# Altium PCB Light_Board.PcbDoc (part 1 of 2) (continued)
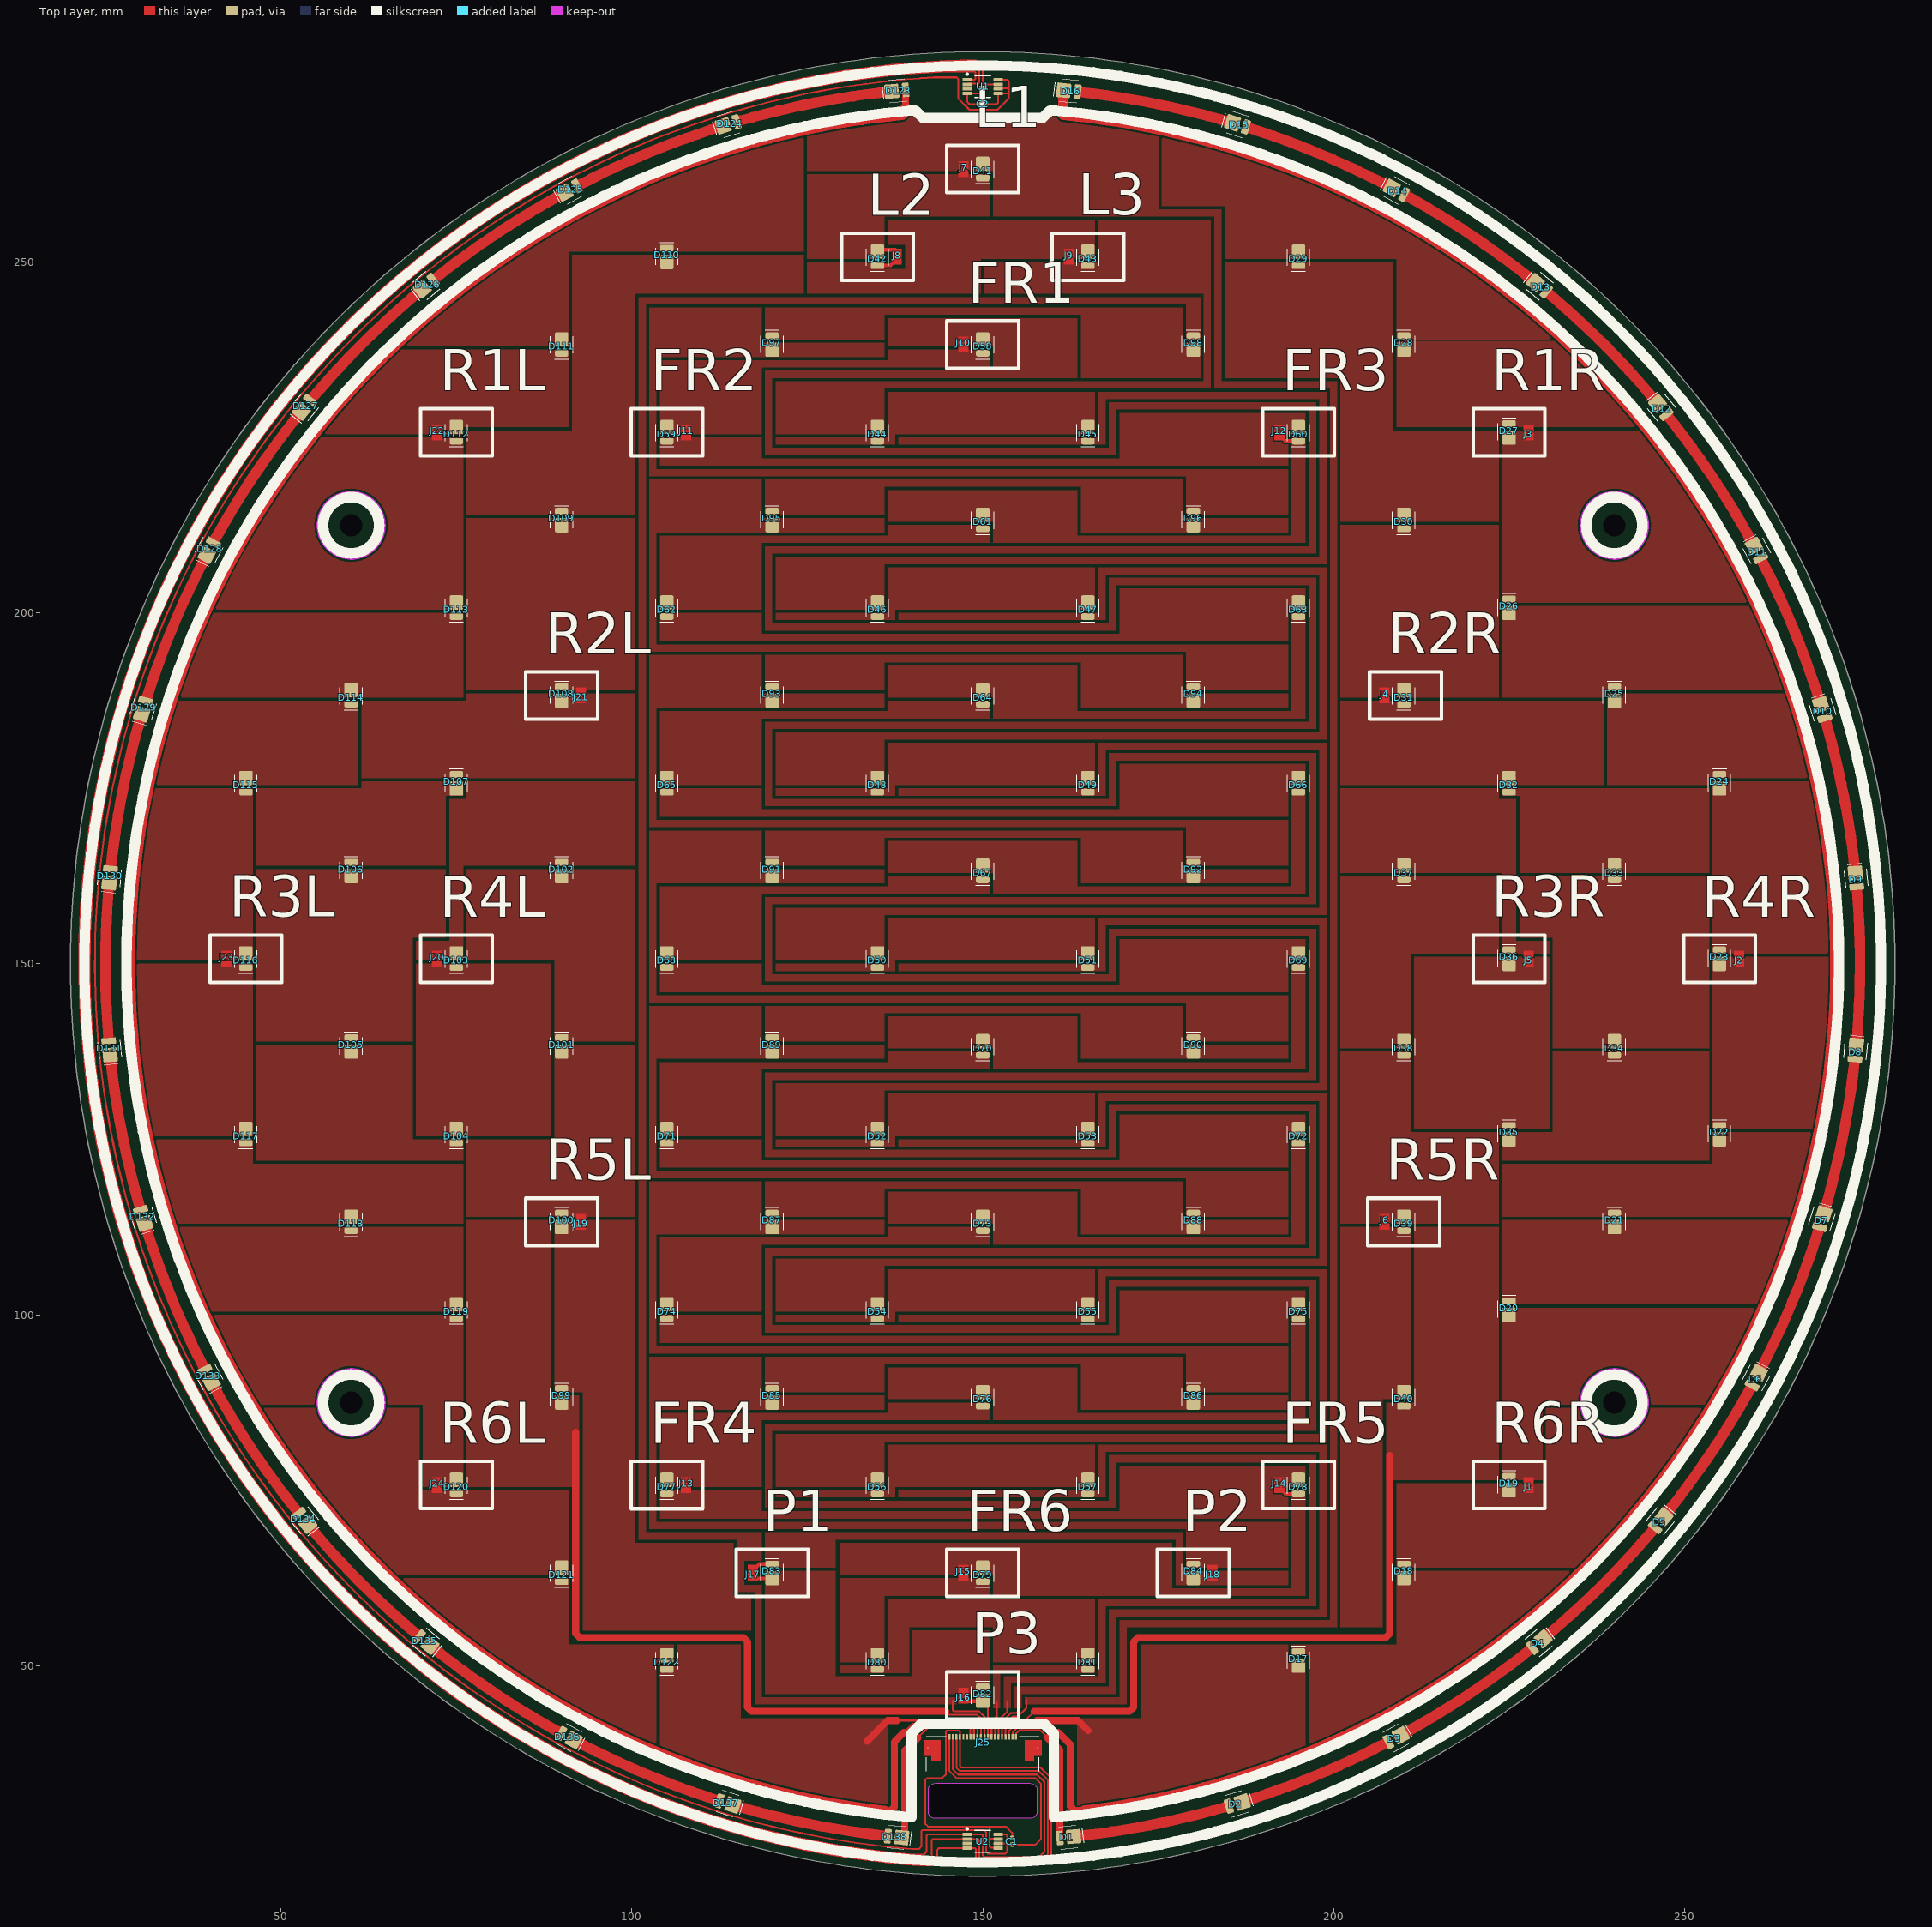
[diagram p0: Top Layer view]
## Components (designator, comment, footprint, x,y, rotation, side; value= is the part's Value field where it differs from the comment) (continued)
D44 "LUXEON SunPlus 2835 Lime" "LUXEON SunPlus 2835 - Lime" 135,226.5 r270 top
D45 "LUXEON SunPlus 2835 Lime" "LUXEON SunPlus 2835 - Lime" 165,226.5 r270 top
D46 "LUXEON SunPlus 2835 Lime" "LUXEON SunPlus 2835 - Lime" 135,201.5 r270 top
D47 "LUXEON SunPlus 2835 Lime" "LUXEON SunPlus 2835 - Lime" 165,201.5 r270 top
D48 "LUXEON SunPlus 2835 Lime" "LUXEON SunPlus 2835 - Lime" 135,176.5 r270 top
D49 "LUXEON SunPlus 2835 Lime" "LUXEON SunPlus 2835 - Lime" 165,176.5 r270 top
D50 "LUXEON SunPlus 2835 Lime" "LUXEON SunPlus 2835 - Lime" 135,151.5 r270 top
D51 "LUXEON SunPlus 2835 Lime" "LUXEON SunPlus 2835 - Lime" 165,151.5 r270 top
D52 "LUXEON SunPlus 2835 Lime" "LUXEON SunPlus 2835 - Lime" 135,126.5 r270 top
D53 "LUXEON SunPlus 2835 Lime" "LUXEON SunPlus 2835 - Lime" 165,126.5 r270 top
D54 "LUXEON SunPlus 2835 Lime" "LUXEON SunPlus 2835 - Lime" 135,101.5 r270 top
D55 "LUXEON SunPlus 2835 Lime" "LUXEON SunPlus 2835 - Lime" 165,101.5 r270 top
D56 "LUXEON SunPlus 2835 Lime" "LUXEON SunPlus 2835 - Lime" 135,76.5 r270 top
D57 "LUXEON SunPlus 2835 Lime" "LUXEON SunPlus 2835 - Lime" 165,76.5 r270 top
D58 "LUXEON SunPlus 2835 Far Red" "LUXEON SunPlus 2835 - Far Red" 150,239 r270 top
D59 "LUXEON SunPlus 2835 Far Red" "LUXEON SunPlus 2835 - Far Red" 105,226.5 r270 top
D60 "LUXEON SunPlus 2835 Far Red" "LUXEON SunPlus 2835 - Far Red" 195,226.5 r270 top
D61 "LUXEON SunPlus 2835 Far Red" "LUXEON SunPlus 2835 - Far Red" 150,214 r270 top
D62 "LUXEON SunPlus 2835 Far Red" "LUXEON SunPlus 2835 - Far Red" 105,201.5 r270 top
D63 "LUXEON SunPlus 2835 Far Red" "LUXEON SunPlus 2835 - Far Red" 195,201.5 r270 top
D64 "LUXEON SunPlus 2835 Far Red" "LUXEON SunPlus 2835 - Far Red" 150,189 r270 top
D65 "LUXEON SunPlus 2835 Far Red" "LUXEON SunPlus 2835 - Far Red" 105,176.5 r270 top
D66 "LUXEON SunPlus 2835 Far Red" "LUXEON SunPlus 2835 - Far Red" 195,176.5 r270 top
D67 "LUXEON SunPlus 2835 Far Red" "LUXEON SunPlus 2835 - Far Red" 150,164 r270 top
D68 "LUXEON SunPlus 2835 Far Red" "LUXEON SunPlus 2835 - Far Red" 105,151.5 r270 top
D69 "LUXEON SunPlus 2835 Far Red" "LUXEON SunPlus 2835 - Far Red" 195,151.5 r270 top
D70 "LUXEON SunPlus 2835 Far Red" "LUXEON SunPlus 2835 - Far Red" 150,139 r270 top
D71 "LUXEON SunPlus 2835 Far Red" "LUXEON SunPlus 2835 - Far Red" 105,126.5 r270 top
D72 "LUXEON SunPlus 2835 Far Red" "LUXEON SunPlus 2835 - Far Red" 195,126.5 r270 top
D73 "LUXEON SunPlus 2835 Far Red" "LUXEON SunPlus 2835 - Far Red" 150,114 r270 top
D74 "LUXEON SunPlus 2835 Far Red" "LUXEON SunPlus 2835 - Far Red" 105,101.5 r270 top
D75 "LUXEON SunPlus 2835 Far Red" "LUXEON SunPlus 2835 - Far Red" 195,101.5 r270 top
D76 "LUXEON SunPlus 2835 Far Red" "LUXEON SunPlus 2835 - Far Red" 150,89 r270 top
D77 "LUXEON SunPlus 2835 Far Red" "LUXEON SunPlus 2835 - Far Red" 105,76.5 r270 top
D78 "LUXEON SunPlus 2835 Far Red" "LUXEON SunPlus 2835 - Far Red" 195,76.5 r270 top
D79 "LUXEON SunPlus 2835 Far Red" "LUXEON SunPlus 2835 - Far Red" 150,64 r270 top
D80 "LUXEON SunPlus 2835 Far Red" "LUXEON SunPlus 2835 - Far Red" 135,51.5 r270 top
D81 "LUXEON SunPlus 2835 Far Red" "LUXEON SunPlus 2835 - Far Red" 165,51.5 r270 top
D82 "LUXEON SunPlus 2835 Purple" "LUXEON SunPlus 2835 - Purple" 150,45 r90 top
D83 "LUXEON SunPlus 2835 Purple" "LUXEON SunPlus 2835 - Purple" 120,62.5 r90 top
D84 "LUXEON SunPlus 2835 Purple" "LUXEON SunPlus 2835 - Purple" 180,62.5 r90 top
D85 "LUXEON SunPlus 2835 Purple" "LUXEON SunPlus 2835 - Purple" 120,87.5 r90 top
D86 "LUXEON SunPlus 2835 Purple" "LUXEON SunPlus 2835 - Purple" 180,87.5 r90 top
D87 "LUXEON SunPlus 2835 Purple" "LUXEON SunPlus 2835 - Purple" 120,112.5 r90 top
D88 "LUXEON SunPlus 2835 Purple" "LUXEON SunPlus 2835 - Purple" 180,112.5 r90 top
D89 "LUXEON SunPlus 2835 Purple" "LUXEON SunPlus 2835 - Purple" 120,137.5 r90 top
D90 "LUXEON SunPlus 2835 Purple" "LUXEON SunPlus 2835 - Purple" 180,137.5 r90 top
D91 "LUXEON SunPlus 2835 Purple" "LUXEON SunPlus 2835 - Purple" 120,162.5 r90 top
D92 "LUXEON SunPlus 2835 Purple" "LUXEON SunPlus 2835 - Purple" 180,162.5 r90 top
D93 "LUXEON SunPlus 2835 Purple" "LUXEON SunPlus 2835 - Purple" 120,187.5 r90 top
D94 "LUXEON SunPlus 2835 Purple" "LUXEON SunPlus 2835 - Purple" 180,187.5 r90 top
D95 "LUXEON SunPlus 2835 Purple" "LUXEON SunPlus 2835 - Purple" 120,212.5 r90 top
D96 "LUXEON SunPlus 2835 Purple" "LUXEON SunPlus 2835 - Purple" 180,212.5 r90 top
D97 "LUXEON SunPlus 2835 Purple" "LUXEON SunPlus 2835 - Purple" 120,237.5 r90 top
D98 "LUXEON SunPlus 2835 Purple" "LUXEON SunPlus 2835 - Purple" 180,237.5 r90 top
D99 "LUXEON SunPlus 2835 Red" "LUXEON SunPlus 2835 - Red" 90,87.5 r90 top
D100 "LUXEON SunPlus 2835 Red" "LUXEON SunPlus 2835 - Red" 90,112.5 r90 top
D101 "LUXEON SunPlus 2835 Red" "LUXEON SunPlus 2835 - Red" 90,137.5 r90 top
D102 "LUXEON SunPlus 2835 Red" "LUXEON SunPlus 2835 - Red" 90,162.5 r90 top
D103 "LUXEON SunPlus 2835 Red" "LUXEON SunPlus 2835 - Red" 75,151.5 r270 top
D104 "LUXEON SunPlus 2835 Red" "LUXEON SunPlus 2835 - Red" 75,126.5 r270 top
D105 "LUXEON SunPlus 2835 Red" "LUXEON SunPlus 2835 - Red" 60,137.5 r90 top
D106 "LUXEON SunPlus 2835 Red" "LUXEON SunPlus 2835 - Red" 60,162.5 r90 top
D107 "LUXEON SunPlus 2835 Red" "LUXEON SunPlus 2835 - Red" 75,175 r90 top
D108 "LUXEON SunPlus 2835 Red" "LUXEON SunPlus 2835 - Red" 90,187.5 r90 top
D109 "LUXEON SunPlus 2835 Red" "LUXEON SunPlus 2835 - Red" 90,212.5 r90 top
D110 "LUXEON SunPlus 2835 Red" "LUXEON SunPlus 2835 - Red" 105,250 r90 top
D111 "LUXEON SunPlus 2835 Red" "LUXEON SunPlus 2835 - Red" 90,239 r270 top
D112 "LUXEON SunPlus 2835 Red" "LUXEON SunPlus 2835 - Red" 75,226.5 r270 top
D113 "LUXEON SunPlus 2835 Red" "LUXEON SunPlus 2835 - Red" 75,201.5 r270 top
D114 "LUXEON SunPlus 2835 Red" "LUXEON SunPlus 2835 - Red" 60,189 r270 top
D115 "LUXEON SunPlus 2835 Red" "LUXEON SunPlus 2835 - Red" 45,176.5 r270 top
D116 "LUXEON SunPlus 2835 Red" "LUXEON SunPlus 2835 - Red" 45,151.5 r270 top
D117 "LUXEON SunPlus 2835 Red" "LUXEON SunPlus 2835 - Red" 45,126.5 r270 top
D118 "LUXEON SunPlus 2835 Red" "LUXEON SunPlus 2835 - Red" 60,114 r270 top
D119 "LUXEON SunPlus 2835 Red" "LUXEON SunPlus 2835 - Red" 75,101.5 r270 top
D120 "LUXEON SunPlus 2835 Red" "LUXEON SunPlus 2835 - Red" 75,76.5 r270 top
D121 "LUXEON SunPlus 2835 Red" "LUXEON SunPlus 2835 - Red" 90,64 r270 top
D122 "LUXEON SunPlus 2835 Red" "LUXEON SunPlus 2835 - Red" 105,51.5 r270 top
D123 "GW JTLPS1.EM-KLLL-XX56-1-150-R33" "GW JTLPS1" 137.748,274.398 r5.62 top
D124 "GW JTLPS1.EM-KLLL-XX56-1-150-R33" "GW JTLPS1" 113.714,269.618 r16.88 top
D125 "GW JTLPS1.EM-KLLL-XX56-1-150-R33" "GW JTLPS1" 91.075,260.24 r28.12 top
D126 "GW JTLPS1.EM-KLLL-XX56-1-150-R33" "GW JTLPS1" 70.701,246.626 r39.38 top
D127 "GW JTLPS1.EM-KLLL-XX56-1-150-R33" "GW JTLPS1" 53.374,229.299 r50.62 top
D128 "GW JTLPS1.EM-KLLL-XX56-1-150-R33" "GW JTLPS1" 39.76,208.925 r61.88 top
D129 "GW JTLPS1.EM-KLLL-XX56-1-150-R33" "GW JTLPS1" 30.382,186.286 r73.12 top
D130 "GW JTLPS1.EM-KLLL-XX56-1-150-R33" "GW JTLPS1" 25.602,162.252 r84.38 top
D131 "GW JTLPS1.EM-KLLL-XX56-1-150-R33" "GW JTLPS1" 25.602,137.748 r95.62 top
D132 "GW JTLPS1.EM-KLLL-XX56-1-150-R33" "GW JTLPS1" 30.382,113.714 r106.88 top
D133 "GW JTLPS1.EM-KLLL-XX56-1-150-R33" "GW JTLPS1" 39.76,91.075 r118.12 top
D134 "GW JTLPS1.EM-KLLL-XX56-1-150-R33" "GW JTLPS1" 53.374,70.701 r129.38 top
D135 "GW JTLPS1.EM-KLLL-XX56-1-150-R33" "GW JTLPS1" 70.701,53.374 r140.62 top
D136 "GW JTLPS1.EM-KLLL-XX56-1-150-R33" "GW JTLPS1" 91.075,39.76 r151.88 top
D137 "GW JTLPS1.EM-KLLL-XX56-1-150-R33" "GW JTLPS1" 113.714,30.382 r163.12 top
D138 "GW JTLPS1.EM-KLLL-XX56-1-150-R33" "GW JTLPS1" 137.748,25.602 r174.38 top
J1 "" "SOLDER JUMPER" 227.75,75.75 r0 top
J2 "" "SOLDER JUMPER" 257.75,150.75 r0 top
J3 "" "SOLDER JUMPER" 227.75,225.75 r0 top
J4 "" "SOLDER JUMPER" 207.25,188.25 r180 top
J5 "" "SOLDER JUMPER" 227.75,150.75 r0 top
J6 "" "SOLDER JUMPER" 207.25,113.25 r180 top
J7 "" "SOLDER JUMPER" 147.25,263.25 r180 top
J8 "" "SOLDER JUMPER" 137.75,250.75 r180 top
J9 "" "SOLDER JUMPER" 162.25,250.75 r180 top
J10 "" "SOLDER JUMPER" 147.25,238.25 r180 top
J11 "" "SOLDER JUMPER" 107.75,225.75 r180 top
J12 "" "SOLDER JUMPER" 192.25,225.75 r180 top
J13 "" "SOLDER JUMPER" 107.75,75.75 r180 top
J14 "" "SOLDER JUMPER" 192.25,75.75 r180 top
J15 "" "SOLDER JUMPER" 147.25,63.25 r180 top
J16 "" "SOLDER JUMPER" 147.25,45.75 r0 top
J17 "" "SOLDER JUMPER" 117.25,63.25 r0 top
J18 "" "SOLDER JUMPER" 182.75,63.25 r0 top
J19 "" "SOLDER JUMPER" 92.75,113.25 r0 top
J20 "" "SOLDER JUMPER" 72.25,150.75 r180 top
J21 "" "SOLDER JUMPER" 92.75,188.25 r0 top
J22 "" "SOLDER JUMPER" 72.25,225.75 r180 top
J23 "" "SOLDER JUMPER" 42.25,150.75 r180 top
J24 "" "SOLDER JUMPER" 72.25,75.75 r180 top
J25 "527452097_LED" "527452097 20 pin FPC" 150,35 r0 top
U1 "LM75BIMMX-3/NOPB" "VSSOP8 (LM75BIMMX-3/NOPB)" 150,275 r0 top
U2 "LM75BIMMX-3/NOPB" "VSSOP8 (LM75BIMMX-3/NOPB)" 150,25 r0 top

## Footprints (in the part's own frame and the unit in brackets; to place one, negate y for a bottom-side part, rotate by r counter-clockwise, add the part's x,y. Pads: shape width x height; smd on the part's side, far side on the other; paste and mask are expansions set on the pad)
"0402 Capacitor" [mm] "Chip Capacitor, 2-Leads, Body 1.00x0.50mm, IPC Medium Density"
  rrect50% 0.66x0.62 smd: 1(-0.44,0) 2(0.44,0)
  body extent -0.5,-0.25 0.5,0.25, height 0.5
"527452097 20 pin FPC" [mm]
  rrect50% 0.3x0.8 smd: 1(-4.75,4.868) 2(-4.25,4.868) 3(-3.75,4.868) 4(-3.25,4.868) 5(-2.75,4.868) 6(-2.25,4.868) 7(-1.75,4.868) 8(-1.25,4.868) 9(-0.75,4.868) 10(-0.25,4.868) 11(0.25,4.868) 12(0.75,4.868) 13(1.25,4.868) 14(1.75,4.868) 15(2.25,4.868) 16(2.75,4.868) 17(3.25,4.868) 18(3.75,4.868) 19(4.25,4.868) 20(4.75,4.868)
  rect 0.127x0.127 smd: P1(-7.85,3.313) P2(7.85,3.313)
  Top Layer region: 8.396,2.208 7.304,2.208 7.304,1.368 6.009,1.368 6.009,4.418 8.396,4.418
  Top Layer region: -6.008,1.368 -7.304,1.368 -7.304,2.208 -8.396,2.208 -8.396,4.418 -6.008,4.418
  silkscreen extent -8.05,-0.02 8.05,4.96, body extent -8.05,-0.11 8.05,4.89, height 1.91
"GW JTLPS1" [mm]
  rrect40% 0.97x2.1 smd: A(1.275,0)
  rrect20% 2.03x2.1 smd: K(-0.725,0)
  silkscreen extent -2.03,-1.6 1.28,1.6, body extent -1.73,-1.4 1.78,1.4, height 1.61
"LUXEON SunPlus 2835 - Far Red" [mm]
  rrect20% 2.03x1.9 smd: A(0,0)
  rrect50% 0.97x1.9 smd: K(2,0)
  silkscreen extent -0.4,-1.6 2.8,1.6, body extent -1,-1.4 2.5,1.4, height 0.7
"LUXEON SunPlus 2835 - Lime" [mm]
  rrect20% 2.03x1.9 smd: A(0,0)
  rrect50% 0.97x1.9 smd: K(2,0)
  silkscreen extent -0.4,-1.6 2.8,1.6, body extent -1,-1.4 2.5,1.4, height 0.7
"LUXEON SunPlus 2835 - Purple" [mm]
  rrect20% 2.03x1.9 smd: A(0,0)
  rrect50% 0.97x1.9 smd: K(2,0)
  silkscreen extent -0.4,-1.6 2.8,1.6, body extent -1,-1.4 2.5,1.4, height 0.7
"LUXEON SunPlus 2835 - Red" [mm]
  rrect20% 2.03x1.9 smd: A(0,0)
  rrect50% 0.97x1.9 smd: K(2,0)
  silkscreen extent -0.4,-1.6 2.8,1.6, body extent -1,-1.4 2.5,1.4, height 0.7
"SOLDER JUMPER" [mil]
  round 1 smd paste-27.56: 1(0,13.78)
  round 1 smd paste-23.62: 2(0,-31.5)
  Top Layer region: 0,-15.75 -27.56,11.81 -27.56,43.31 27.56,43.31 27.56,11.81
  Top Layer region: -27.56,3.94 0,-23.62 27.56,3.94 27.56,-43.31 -27.56,-43.31
"VSSOP8 (LM75BIMMX-3/NOPB)" [mm] "TSOP, 8-Leads, Body 3.00x3.00mm, Pitch 0.65mm, IPC Medium Density"
  rrect50% 1.35x0.5 smd mask+0.102: 1(-2.225,0.975) 2(-2.225,0.325) 3(-2.225,-0.325) 4(-2.225,-0.975) 5(2.225,-0.975) 6(2.225,-0.325) 7(2.225,0.325) 8(2.225,0.975)
  silkscreen extent -2.35,-1.55 1.15,1.9, body extent -2.45,-1.5 2.45,1.5, height 1.1

## Part data
C1 C2: "16V 100nF X7R ±10% 0402 Multilayer Ceramic Capacitors MLCC - SMD/SMT ROHS", Manufacturer="Samsung Electro-Mechanics", Manufacturer Part Number=CL05B104KO5NNNC, Supplier Part Number=C1525, ComponentLink1Description=https://datasheet.octopart.com:443/CL05B104KO5NNNC-Samsung-Electro-Mechanics-datasheet-181960518.pdf?src-supplier=IHS, ComponentLink1URL=https://datasheet.octopart.com:443/CL05B104KO5NNNC-Samsung-Electro-Mechanics-datasheet-181960518.pdf?src-supplier=IHS, ComponentLink2Description=https://datasheet.octopart.com:443/CL05B104KO5NNNC-Samsung-Electro-Mechanics-datasheet-81461623.pdf?src-supplier=Upverter, ComponentLink2URL=https://datasheet.octopart.com:443/CL05B104KO5NNNC-Samsung-Electro-Mechanics-datasheet-81461623.pdf?src-supplier=Upverter, ComponentLink3Description=https://datasheet.octopart.com/CL05B104KO5NNNC-Samsung-Electro-Mechanics-datasheet-8324245.pdf, ComponentLink3URL=https://datasheet.octopart.com/CL05B104KO5NNNC-Samsung-Electro-Mechanics-datasheet-8324245.pdf, ComponentLink4Description=https://datasheet.octopart.com/CL05B104KO5NNNC-Samsung-Electro-Mechanics-datasheet-97040617.pdf, ComponentLink4URL=https://datasheet.octopart.com/CL05B104KO5NNNC-Samsung-Electro-Mechanics-datasheet-97040617.pdf, ComponentLink5Description=https://datasheet.octopart.com/General-Multilayer-Ceramic-Capacitors-Samsung-datasheet-family-111.pdf, ComponentLink5URL=https://datasheet.octopart.com/General-Multilayer-Ceramic-Capacitors-Samsung-datasheet-family-111.pdf, ComponentLink6Description=https://datasheet.octopart.com:443/CL05B104KO5NNNC-Samsung-Electro-Mechanics-datasheet-141346863.pdf?src-supplier=Samsung+SCT, ComponentLink6URL=https://datasheet.octopart.com:443/CL05B104KO5NNNC-Samsung-Electro-Mechanics-datasheet-141346863.pdf?src-supplier=Samsung+SCT, ComponentLink7Description=https://datasheet.octopart.com:443/CL05B104KO5NNNC-Samsung-datasheet-151956582.pdf?src-supplier=SOS+electronic, ComponentLink7URL=https://datasheet.octopart.com:443/CL05B104KO5NNNC-Samsung-datasheet-151956582.pdf?src-supplier=SOS+electronic, ComponentLink8Description=https://datasheet.octopart.com:443/CL05B104KO5NNNC-Samsung-datasheet-42485123.pdf?src-supplier=Future+Electronics, ComponentLink8URL=https://datasheet.octopart.com:443/CL05B104KO5NNNC-Samsung-datasheet-42485123.pdf?src-supplier=Future+Electronics, ComponentLink9Description=https://datasheet.octopart.com:443/CL05B104KO5NNNC-Samsung-datasheet-34153835.pdf?src-supplier=Future+Electronics, ComponentLink9URL=https://datasheet.octopart.com:443/CL05B104KO5NNNC-Samsung-datasheet-34153835.pdf?src-supplier=Future+Electronics, ComponentLink10Description=https://datasheet.octopart.com:443/CL05B104KO5NNNC-Samsung-datasheet-26589024.pdf?src-supplier=Future+Electronics, ComponentLink10URL=https://datasheet.octopart.com:443/CL05B104KO5NNNC-Samsung-datasheet-26589024.pdf?src-supplier=Future+Electronics, ComponentLink11Description=https://datasheet.octopart.com:443/CL05B104KO5NNNC-Samsung-Electro-Mechanics-datasheet-149136714.pdf?src-supplier=Future+Electronics, ComponentLink11URL=https://datasheet.octopart.com:443/CL05B104KO5NNNC-Samsung-Electro-Mechanics-datasheet-149136714.pdf?src-supplier=Future+Electronics, ComponentLink12Description=https://datasheet.octopart.com:443/CL05B104KO5NNNC-Samsung-datasheet-59220082.pdf?src-supplier=TME, ComponentLink12URL=https://datasheet.octopart.com:443/CL05B104KO5NNNC-Samsung-datasheet-59220082.pdf?src-supplier=TME, ComponentLink13Description=http://sigma.octopart.com:80/rohs_certificate/General-Multilayer-Ceramic-Capacitors-Samsung-family-110.pdf?src-supplier=Compliance+Statements, ComponentLink13URL=http://sigma.octopart.com:80/rohs_certificate/General-Multilayer-Ceramic-Capacitors-Samsung-family-110.pdf?src-supplier=Compliance+Statements, ComponentLink14Description=http://sigma.octopart.com:80/rohs_statement/General-Multilayer-Ceramic-Capacitors-Samsung-family-132.pdf?src-supplier=Compliance+Statements, ComponentLink14URL=http://sigma.octopart.com:80/rohs_statement/General-Multilayer-Ceramic-Capacitors-Samsung-family-132.pdf?src-supplier=Compliance+Statements, ComponentLink15Description=http://sigma.octopart.com:80/reach_statement/General-Multilayer-Ceramic-Capacitors-Samsung-family-133.pdf?src-supplier=Compliance+Statements, ComponentLink15URL=http://sigma.octopart.com:80/reach_statement/General-Multilayer-Ceramic-Capacitors-Samsung-family-133.pdf?src-supplier=Compliance+Statements, Supplier=LCSC
D1 D2 D3 D4 D5 D6 D7 D8 D9 D10 D11 D12 D13 D14 D15 D16 D123 D124 D125 D126 D127 D128 D129 D130 D131 D132 D133 D134 D135 D136 D137 D138: "LED Lighting DURIS® E 2835 White, Warm 3500K 3.05V 150mA 120° 1113 (2835 Metric)", Manufacturer=Lumileds, Supplier Part Number=475-GWJTLPS1.EM-KLLL-XX56-1-150-R33CT-ND, Manufacturer Part Number="GW JTLPS1.EM-KLLL-XX56-1-150-R33", Supplier=DigiKey
D17 D18 D19 D20 D21 D22 D23 D24 D25 D26 D27 D28 D29 D30 D31 D32 D33 D34 D35 D36 D37 D38 D39 D40 D99 D100 D101 D102 D103 D104 D105 D106 D107 D108 D109 D110 D111 D112 D113 D114 D115 D116 D117 D118 D119 D120 D121 D122: "LED Lighting Color LUXEON SunPlus 2835 Horticulture Red 660nm (650nm ~ 670nm) 1411 (3528 Metric)", Manufacturer=Lumileds, Manufacturer Part Number=L1SP-DRD0002800000, Supplier Part Number=1416-2056-2-ND, Supplier=DigiKey
D41 D42 D43 D44 D45 D46 D47 D48 D49 D50 D51 D52 D53 D54 D55 D56 D57: "LED Lighting Color LUXEON SunPlus 2835 Horticulture Lime 1411 (3528 Metric)", Manufacturer=Lumileds, Manufacturer Part Number=L1SP-LME0002800000, Supplier Part Number=1416-2057-1-ND, Supplier=DigiKey
D58 D59 D60 D61 D62 D63 D64 D65 D66 D67 D68 D69 D70 D71 D72 D73 D74 D75 D76 D77 D78 D79 D80 D81: "LED Lighting Color LUXEON SunPlus 2835 Horticulture Red 730nm (720nm ~ 740nm) 1411 (3528 Metric)", Manufacturer=Lumileds, Manufacturer Part Number=L1SP-FRD0002800000, Supplier Part Number=1416-2055-1-ND, Supplier=DigiKey
D82 D83 D84 D85 D86 D87 D88 D89 D90 D91 D92 D93 D94 D95 D96 D97 D98: "LED Lighting Color LUXEON SunPlus 2835 Horticulture Purple 1411 (3528 Metric)", Manufacturer=Lumileds, Manufacturer Part Number=L1SP-PRP2002800000, Supplier Part Number=1416-2059-1-ND, Supplier=DigiKey
J1 J2 J3 J4 J5 J6 J7 J8 J9 J10 J11 J12 J13 J14 J15 J16 J17 J18 J19 J20 J21 J22 J23 J24: library part Solder_Bridge, "Solder_Bridge"
J25: library part 527452097_LED_B_Side, "FFC / FPC Connectors FFC, FPC Contacts, Top Surface Mount, Right Angle T/R / Pinout for LED control.", Manufacturer=Molex, Manufacturer Part Number=52745-2097, Supplier Part Number=C164167, ComponentLink1Description=https://datasheet.octopart.com:443/52745-2097-Molex-datasheet-180776580.pdf?src-supplier=IHS, ComponentLink1URL=https://datasheet.octopart.com:443/52745-2097-Molex-datasheet-180776580.pdf?src-supplier=IHS, ComponentLink2Description=https://datasheet.octopart.com:443/52745-2097-Molex-datasheet-13775033.pdf?src-supplier=Molex, ComponentLink2URL=https://datasheet.octopart.com:443/52745-2097-Molex-datasheet-13775033.pdf?src-supplier=Molex, ComponentLink3Description=https://sigma.octopart.com:443/15649097/technical_drawing/Molex-52745-2097.pdf?src-supplier=Molex, ComponentLink3URL=https://sigma.octopart.com:443/15649097/technical_drawing/Molex-52745-2097.pdf?src-supplier=Molex, ComponentLink4Description=https://datasheet.octopart.com:443/527452097-Molex-datasheet-8335871.pdf?src-supplier=Factory+Futures, ComponentLink4URL=https://datasheet.octopart.com:443/527452097-Molex-datasheet-8335871.pdf?src-supplier=Factory+Futures, ComponentLink5Description=https://datasheet.octopart.com:443/52745-2097-Molex-datasheet-11535467.pdf?src-supplier=Arrow+Electronics, ComponentLink5URL=https://datasheet.octopart.com:443/52745-2097-Molex-datasheet-11535467.pdf?src-supplier=Arrow+Electronics, ComponentLink6Description=https://datasheet.octopart.com:443/0527452097-Molex-datasheet-11973683.pdf?src-supplier=Arrow+Electronics, ComponentLink6URL=https://datasheet.octopart.com:443/0527452097-Molex-datasheet-11973683.pdf?src-supplier=Arrow+Electronics, ComponentLink7Description=https://datasheet.octopart.com:443/52745-2097-Molex-datasheet-154755790.pdf?src-supplier=Master+Electronics, ComponentLink7URL=https://datasheet.octopart.com:443/52745-2097-Molex-datasheet-154755790.pdf?src-supplier=Master+Electronics, ComponentLink8Description=https://datasheet.octopart.com:443/52745-2097-Molex-datasheet-66628635.pdf?src-supplier=element14+APAC, ComponentLink8URL=https://datasheet.octopart.com:443/52745-2097-Molex-datasheet-66628635.pdf?src-supplier=element14+APAC, ComponentLink9Description=https://datasheet.octopart.com:443/52745-2097-Molex-datasheet-140186386.pdf?src-supplier=RS+(Formerly+Allied+Electronics), ComponentLink9URL=https://datasheet.octopart.com:443/52745-2097-Molex-datasheet-140186386.pdf?src-supplier=RS+(Formerly+Allied+Electronics), ComponentLink10Description=https://datasheet.octopart.com:443/52745-2097-Molex-datasheet-120153567.pdf?src-supplier=RS+(Formerly+Allied+Electronics), ComponentLink10URL=https://datasheet.octopart.com:443/52745-2097-Molex-datasheet-120153567.pdf?src-supplier=RS+(Formerly+Allied+Electronics), ComponentLink11Description=https://datasheet.octopart.com:443/52745-2097-Molex-datasheet-62059355.pdf?src-supplier=RS+(Formerly+Allied+Electronics), ComponentLink11URL=https://datasheet.octopart.com:443/52745-2097-Molex-datasheet-62059355.pdf?src-supplier=RS+(Formerly+Allied+Electronics), ComponentLink12Description=https://datasheet.octopart.com:443/52745-2097-Molex-datasheet-77521212.pdf?src-supplier=Newark, ComponentLink12URL=https://datasheet.octopart.com:443/52745-2097-Molex-datasheet-77521212.pdf?src-supplier=Newark, ComponentLink13Description=https://datasheet.octopart.com:443/52745-2097-Molex-datasheet-62116793.pdf?src-supplier=Electro+Sonic, ComponentLink13URL=https://datasheet.octopart.com:443/52745-2097-Molex-datasheet-62116793.pdf?src-supplier=Electro+Sonic, ComponentLink14Description=https://datasheet.octopart.com:443/52745-2097-Molex-datasheet-28806792.pdf?src-supplier=TME, ComponentLink14URL=https://datasheet.octopart.com:443/52745-2097-Molex-datasheet-28806792.pdf?src-supplier=TME, ComponentLink15Description=https://datasheet.octopart.com:443/52745-2097-Molex-datasheet-10979466.pdf?src-supplier=Farnell, ComponentLink15URL=https://datasheet.octopart.com:443/52745-2097-Molex-datasheet-10979466.pdf?src-supplier=Farnell, ComponentLink16Description=https://datasheet.octopart.com:443/52745-2097-Molex-datasheet-8878058.pdf?src-supplier=Farnell, ComponentLink16URL=https://datasheet.octopart.com:443/52745-2097-Molex-datasheet-8878058.pdf?src-supplier=Farnell, ComponentLink17Description=http://sigma.octopart.com:80/15649113/rohs_statement/Molex-52745-2097.pdf?src-supplier=Compliance+Statements, ComponentLink17URL=http://sigma.octopart.com:80/15649113/rohs_statement/Molex-52745-2097.pdf?src-supplier=Compliance+Statements, ComponentLink18Description=http://sigma.octopart.com:80/reach_statement/Molex-company-74.pdf?src-supplier=Compliance+Statements, ComponentLink18URL=http://sigma.octopart.com:80/reach_statement/Molex-company-74.pdf?src-supplier=Compliance+Statements, ComponentLink19Description=http://sigma.octopart.com:80/rohs_statement/Molex-company-73.pdf?src-supplier=Compliance+Statements, ComponentLink19URL=http://sigma.octopart.com:80/rohs_statement/Molex-company-73.pdf?src-supplier=Compliance+Statements, ComponentLink20Description=http://sigma.octopart.com:80/conflict_mineral_statement/Molex-company-72.pdf?src-supplier=Compliance+Statements, ComponentLink20URL=http://sigma.octopart.com:80/conflict_mineral_statement/Molex-company-72.pdf?src-supplier=Compliance+Statements, Supplier=LCSC
U1 U2: "-55℃~+125℃ 100ms 3V~5.5V 500nA 9bit I2C ±2℃ VSSOP-8-0.65mm Temperature Sensors ROHS", Manufacturer="Texas Instruments", Supplier Part Number=C543061, Manufacturer Part Number=LM75BIMMX-3/NOPB, Supplier=LCSC

## Free pads (board coordinates)
  round 0 hole 3.2 unplated: ""(60,87.5) ""(60,212.5) ""(240,87.5) ""(240,212.5)

## Nets (pads, with @x,y where several pads share a name; then routed paths per layer and width w, separated by ;. In a path a pad name is that pad's centre, name@x,y a point inside that pad or via, vN(x,y) a via of type N, cw(c..) or ccw(c..) an arc to the next point about the centre after c; other vN are vias at no path point)
3.3V: C1.2 C2.2 J25.1 U1.5 U1.6 U1.8 U2.6 U2.8 | length 461.4
  Top Layer w0.254: J25.1@145.25,39.868 145.25,35 146.25,34 157.5,34 158.3,33.2 158.3,25.3 157.5,24.5 154.2,24.5 153.475,24.5 ; C2.2@150.44,272.5 152,272.5 152.225,272.725 U1.5@152.225,274.025 153.725,274.025 153.75,274 ; U2.6@152.225,24.675 152.256,24.706 153.326,24.706 153.475,24.855 ; U2.8@152.225,25.975 153.475,25.975 153.475,24.855 ; U1.6@152.225,274.675 152.3,274.75 153.75,274.75 ; U1.8@152.225,275.975 153.525,275.975 153.75,275.75 153.75,274.75 ; 153.475,24.5 153.475,24.855 ; 153.475,24.5 153.475,23.475 153.25,23.25 150.75,23.25 150.5,23.5 150.5,26.25 150.15,26.6 141.399,26.6 141.25,26.451 141.25,24.25 140.907,23.907 139.855,23.907 cw(c150,150) 143.052,276.309 146.291,276.309 146.5,276.1 146.5,273.3 148.1,271.7 152.1,271.7 153.75,273.35 153.75,274 ; 153.75,274 153.75,274.75
GND: C1.1 C2.1 J25.4 U1.4 U1.7 U2.4 U2.5 U2.7 | length 496.6
  Top Layer w0.254: C2.1@149.56,272.5 148.1,272.5 147.775,272.825 U1.4@147.775,274.025 149.876,274.025 150.025,274.174 150.025,275.323 ; U1.7@152.223,275.323 150.025,275.323 ; U2.5@152.225,24.025 152.169,24.081 151.149,24.081 151,24.23 151,25.366 ; U2.7@152.225,25.325 152.184,25.366 151,25.366 ; C1.1@154.2,25.44 154.2,26.2 153.3,27.1 151,27.1 ; 150.025,275.323 150.025,277.725 149.006,278.744 148.75,278.744 ccw(c150,150) 141.019,21.564 142.814,21.564 143.5,22.25 143.5,23.75 143.775,24.025 U2.4@147.775,24.025 147.78,24.02 148.851,24.02 149,23.871 149,22.5 149.75,21.75 158.75,21.75 159.8,22.8 159.8,33.95 158.25,35.5 147,35.5 146.75,35.75 J25.4@146.75,39.868 146.75,40.601 146.601,40.75 144.899,40.75 144.75,40.601 144.75,34.5 144.25,34 142.1,34 141.8,33.7 141.8,27.5 142.2,27.1 151,27.1 ; 151,25.366 151,27.1
LED1A: D1.A J25.20 | length 20.6
  Top Layer w0.25: J25.20@154.75,39.868 154.775,39.893 154.775,40.375 155.2,40.8 158.2,40.8 159.25,39.75
  Top Layer w1: 159.25,39.75 160.983,38.017 D1.A@160.983,25.477
LED1K: D16.K J25.19 | length 380.4
  Top Layer w0.25: J25.19@154.25,39.868 154.25,40.5 155,41.25 160,41.25 160.75,40.5
  Top Layer w1: 160.75,40.5 162.5,38.75 162.5,30 163.13,29.37 164.516,29.37
  Top Layer w1.5: D16.K@161.496,274.434 161.496,270.955 cw(c150,150) 164.516,29.37
LED2A: D17.A J25.18 | length 13.3
  Top Layer w0.25: J25.18@153.75,39.868 153.75,40.75 154.75,41.75 156.55,41.75 157,42.2 157.731,42.2
  Top Layer w1: 157.731,42.2 163.55,42.2 165,40.75
LED2K: D40.K J25.17 | length 92.4
  Top Layer w0.25: J25.17@153.25,39.868 153.25,41 154.5,42.25 156.098,42.25 157.348,43.5
  Top Layer w1: 157.348,43.5 170.914,43.5 171.5,44.086 171.5,53.414 172.086,54 207.414,54 208,54.586 208,80 ; D40.K@210,87 D40.K@210.015,87.015
LED3A: D41.A J7.2 J25.16 | length 7.3
  Top Layer w0.25: D41.A@149.95,264.05 D41.A@150,264 ; J25.16@152.75,39.868 152.75,41.25 154.25,42.75 155,42.75 156.25,44 156.25,45.25
LED3K: D57.K J25.15 | length 6.7
  Top Layer w0.25: J25.15@152.25,39.868 152.25,41.5 154,43.25 154.75,43.25 155,43.5 155,45
LED4A: D58.A J10.2 J25.14 | length 5.9
  Top Layer w0.25: J10.2@147.25,239.05 147.3,239 ; J25.14@151.75,39.868 151.75,41.75 153.5,43.5 153.5,45
LED4K: D81.K J25.13 | length 5.4
  Top Layer w0.25: J25.13@151.25,39.868 151.25,42 152,42.75 152,45
LED5A: D82.A J16.2 J25.12 | length 7.5
  Top Layer w0.25: D82.A@150.5,44.5 150.75,44.25 J25.12@150.75,39.868
  Top Layer w0.254: D82.A@149.95,44.95 D82.A@150,45
  Top Layer w0.5: J16.2@147.25,44.95 D82.A@149.95,44.95
LED5K: D98.K J25.11 | length 9.2
  Top Layer w0.25: 145.75,45.079 145.75,43.646 145.896,43.5 149.5,43.5 150.25,42.75 J25.11@150.25,39.868
LED6A: D99.A J25.10 | length 99.5
  Top Layer w0.25: 144.75,43.5 145.25,43 149.25,43 149.75,42.5 J25.10@149.75,39.868
  Top Layer w1: D99.A@89.985,87.015 D99.A@90,87 ; 92,83.25 92,54.586 92.586,54 115.914,54 116.5,53.414 116.5,44.086 117.086,43.5 144.75,43.5
LED6K: D122.K J25.9 | length 19.1
  Top Layer w0.25: 137.8,42.2 148.8,42.2 149.25,41.75 J25.9@149.25,39.868
  Top Layer w1: D122.K@105,49.5 D122.K@105.015,49.515 ; 133.5,39.25 136.45,42.2 137.8,42.2
LED7A: D123.A J25.8 | length 385.6
  Top Layer w0.25: 138.75,40.5 140,41.75 148.604,41.75 148.75,41.604 J25.8@148.75,39.868
  Top Layer w1: 135.978,29.312 136.814,29.312 137.4,29.898 137.4,39.15 138.75,40.5 ; 139,271.451 D123.A@139,274.506
  Top Layer w1.5: 135.978,29.312 cw(c150,150) 138.504,270.955 139,271.451 139,272
LED7K: D138.K J25.7 | length 24.6
  Top Layer w0.25: 140.75,39.75 142.25,41.25 148.104,41.25 148.25,41.104 J25.7@148.25,39.868
  Top Layer w1: D138.K@138.469,25.531 138.9,25.961 138.9,37.9 140.75,39.75
NetD1_K: D1.K D2.A | length 22
  Top Layer w1.5: D1.K@162.974,25.673 ccw(c150,150) 184.539,29.864
NetD2_K: D2.K D3.A | length 22.2
  Top Layer w1.5: D2.K@186.979,30.593 ccw(c150,150) D3.A@207.497,39.006
NetD3_K: D3.K D4.A | length 22.3
  Top Layer w1.5: D3.K@209.563,40.101 ccw(c150,150) D4.A@228.088,52.39
NetD4_K: D4.K D5.A | length 22.2
  Top Layer w1.5: D4.K@229.86,53.834 ccw(c150,150) D5.A@245.577,69.435
NetD5_K: D5.K D6.A | length 22.1
  Top Layer w1.5: D5.K@247.086,71.261 ccw(c150,150) D6.A@259.413,89.548
NetD6_K: D6.K D7.A | length 22
  Top Layer w1.5: D6.K@260.582,91.715 ccw(c150,150) 269.078,111.975
NetD7_K: D7.K D8.A | length 22.1
  Top Layer w1.5: D7.K@269.828,114.408 ccw(c150,150) D8.A@274.219,136.032
NetD8_K: D8.K D9.A | length 22.1
  Top Layer w1.5: D8.K@274.469,138.469 ccw(c150,150) D9.A@274.56,160.505
NetD9_K: D9.K D10.A | length 22.1
  Top Layer w1.5: D10.A@270.117,184.604 cw(c150,150) D9.K@274.327,162.974
NetD10_K: D10.K D11.A | length 22.1
  Top Layer w1.5: D11.A@261.058,207.373 cw(c150,150) D10.K@269.407,186.979
NetD11_K: D11.K D12.A | length 22.1
  Top Layer w1.5: D12.A@247.731,227.937 cw(c150,150) D11.K@259.899,209.563
NetD12_K: D12.K D13.A | length 22.1
  Top Layer w1.5: D13.A@230.649,245.506 cw(c150,150) D12.K@246.166,229.86
NetD13_K: D13.K D14.A | length 22.1
  Top Layer w1.5: D14.A@210.467,259.404 cw(c150,150) D13.K@228.739,247.086
NetD14_K: D14.K D15.A | length 22.1
  Top Layer w1.5: D15.A@187.961,269.099 cw(c150,150) D14.K@208.285,260.582
NetD15_K: D15.K D16.A | length 22.1
  Top Layer w1.5: D16.A@163.997,274.216 cw(c150,150) D15.K@185.592,269.828
NetD17_K: D17.K D18.A | length 0
NetD18_K: D18.K D19.A J1.2 | length 0.1
  Top Layer w0.25: D19.A@225,75 D19.A@225.05,74.95
NetD19_K: D19.K D20.A J1.1
NetD20_K: D20.K D21.A | length 0
NetD21_K: D21.K D22.A | length 0
NetD22_K: D22.K D23.A J2.2 | length 0.6
  Top Layer w0.25: D23.A@255,149.5 D23.A@255.45,149.95
NetD23_K: D23.K D24.A J2.1
NetD24_K: D24.K D25.A | length 0
NetD25_K: D25.K D26.A | length 0
NetD26_K: D26.K D27.A J3.2 | length 0.1
  Top Layer w0.25: D27.A@225,225 D27.A@225.05,224.95
NetD27_K: D27.K D28.A J3.1
NetD28_K: D28.K D29.A
NetD29_K: D29.K D30.A
NetD30_K: D30.K D31.A J4.2 | length 0.8
  Top Layer w0.25: D31.A@209.95,189.05 D31.A@210,189
  Top Layer w1: D31.A@210,189 210,189.05 D31.A@210.45,189.5
NetD31_K: D31.K D32.A J4.1 | length 0
  Top Layer w1: D32.A@225.5,176.5 D32.A@225.5,176.538
NetD32_K: D32.K D33.A | length 0.7
  Top Layer w1: D32.K@225.5,174.5 D32.K@225.515,174.515 ; D33.A@240,164 240,164.05 D33.A@240.45,164.5
NetD33_K: D33.K D34.A
NetD34_K: D34.K D35.A | length 0
NetD35_K: D35.K D36.A J5.2 | length 0.8
  Top Layer w0.25: D36.A@225,150.5 D36.A@225.55,149.95
NetD36_K: D36.K D37.A J5.1 | length 0.7
  Top Layer w1: D37.A@210,164 210,164.05 D37.A@210.45,164.5
NetD37_K: D37.K D38.A
NetD38_K: D38.K D39.A J6.2 | length 0.1
  Top Layer w0.25: J6.2@207.25,114.05 207.3,114
NetD39_K: D39.K D40.A J6.1 | length 0
NetD41_K: D41.K D42.A J7.1 J8.2 | length 2.9
  Top Layer w0.5: D42.A@135,251.5 135.25,251.75 137.55,251.75 J8.2@137.75,251.55
NetD42_K: D42.K D43.A J8.1 J9.2 | length 3.2
  Top Layer w0.25: D43.A@164.95,251.55 D43.A@165,251.5
  Top Layer w0.5: D42.K@135,249.5 136.85,249.5 J8.1@137.75,250.4
NetD43_K: D43.K D44.A J9.1
NetD44_K: D44.K D45.A
NetD45_K: D45.K D46.A
NetD46_K: D46.K D47.A
NetD47_K: D47.K D48.A
NetD48_K: D48.K D49.A
NetD49_K: D49.K D50.A
NetD50_K: D50.K D51.A
NetD51_K: D51.K D52.A
NetD52_K: D52.K D53.A
NetD53_K: D53.K D54.A
NetD54_K: D54.K D55.A
NetD55_K: D55.K D56.A
NetD56_K: D56.K D57.A
NetD58_K: D58.K D59.A J10.1 J11.2 | length 0.1
  Top Layer w0.25: D59.A@105,226.5 D59.A@105.05,226.55
NetD59_K: D59.K D60.A J11.1 J12.2 | length 0.1
  Top Layer w0.254: J12.2@192.25,226.55 192.3,226.5
NetD60_K: D60.K D61.A J12.1 | length 3.1
  Top Layer w0.5: J12.1@192.25,225.4 193.15,224.5 D60.K@195,224.5
NetD61_K: D61.K D62.A
NetD62_K: D62.K D63.A
NetD63_K: D63.K D64.A
NetD64_K: D64.K D65.A
NetD65_K: D65.K D66.A
NetD66_K: D66.K D67.A
NetD67_K: D67.K D68.A
NetD68_K: D68.K D69.A
NetD69_K: D69.K D70.A
NetD70_K: D70.K D71.A
NetD71_K: D71.K D72.A
NetD72_K: D72.K D73.A
NetD73_K: D73.K D74.A
NetD74_K: D74.K D75.A
NetD75_K: D75.K D76.A
NetD76_K: D76.K D77.A J13.2 | length 0.1
  Top Layer w0.25: D77.A@105,76.5 D77.A@105.05,76.55
NetD77_K: D77.K D78.A J13.1 J14.2 | length 0.1
  Top Layer w0.254: J14.2@192.25,76.55 192.3,76.5
NetD78_K: D78.K D79.A J14.1 J15.2 | length 3.2
  Top Layer w0.254: D79.A@149.95,64.05 D79.A@150,64
  Top Layer w0.5: J14.1@192.25,75.4 193.15,74.5 D78.K@195,74.5
NetD79_K: D79.K D80.A J15.1
NetD80_K: D80.K D81.A
NetD82_K: D82.K D83.A J16.1 J17.2 | length 2.8
  Top Layer w0.254: D83.A@119.95,62.45 D83.A@120,62.5
  Top Layer w0.5: J17.2@117.25,62.45 D83.A@119.95,62.45
NetD83_K: D83.K D84.A J17.1 J18.2 | length 3.2
  Top Layer w0.254: 182.7,62.5 J18.2@182.75,62.45
  Top Layer w0.5: J17.1@117.25,63.6 118.15,64.5 D83.K@120,64.5
NetD84_K: D84.K D85.A J18.1
NetD85_K: D85.K D86.A
NetD86_K: D86.K D87.A
NetD87_K: D87.K D88.A
NetD88_K: D88.K D89.A
NetD89_K: D89.K D90.A
NetD90_K: D90.K D91.A
NetD91_K: D91.K D92.A
NetD92_K: D92.K D93.A
NetD93_K: D93.K D94.A
NetD94_K: D94.K D95.A
NetD95_K: D95.K D96.A
NetD96_K: D96.K D97.A
NetD97_K: D97.K D98.A
NetD99_K: D99.K D100.A J19.2 | length 0.1
  Top Layer w0.254: D100.A@90,112.5 D100.A@90.05,112.45
NetD100_K: D100.K D101.A J19.1
NetD101_K: D101.K D102.A
NetD102_K: D102.K D103.A J20.2 | length 0.1
  Top Layer w0.254: D103.A@74.95,151.55 D103.A@75,151.5
NetD103_K: D103.K D104.A J20.1
NetD104_K: D104.K D105.A | length 0
NetD105_K: D105.K D106.A
NetD106_K: D106.K D107.A | length 0
NetD107_K: D107.K D108.A J21.2 | length 0.1
  Top Layer w0.254: D108.A@90,187.5 D108.A@90.05,187.45
NetD108_K: D108.K D109.A J21.1
NetD109_K: D109.K D110.A
NetD110_K: D110.K D111.A
NetD111_K: D111.K D112.A J22.2 | length 0.1
  Top Layer w0.25: D112.A@74.95,226.55 D112.A@75,226.5
NetD112_K: D112.K D113.A J22.1 | length 0
  Top Layer w1: D112.K@74.985,224.515 D112.K@75,224.5
NetD113_K: D113.K D114.A | length 0
NetD114_K: D114.K D115.A
NetD115_K: D115.K D116.A J23.2 | length 0.1
  Top Layer w0.254: D116.A@44.95,151.55 D116.A@45,151.5
NetD116_K: D116.K D117.A J23.1
NetD117_K: D117.K D118.A | length 0
NetD118_K: D118.K D119.A | length 0
NetD119_K: D119.K D120.A J24.2 | length 0.1
  Top Layer w0.25: D120.A@74.95,76.55 D120.A@75,76.5
NetD120_K: D120.K D121.A J24.1
NetD121_K: D121.K D122.A
NetD123_K: D123.K D124.A | length 22
  Top Layer w1.5: 115.461,270.136 cw(c150,150) D123.K@137.026,274.327
NetD124_K: D124.K D125.A | length 22.2
  Top Layer w1.5: D125.A@92.503,260.994 cw(c150,150) D124.K@113.021,269.407